# Altium PCB UPCNSL-ABS-FLS-ARD_v1.2.PcbDoC (part 1 of 2) (continued)
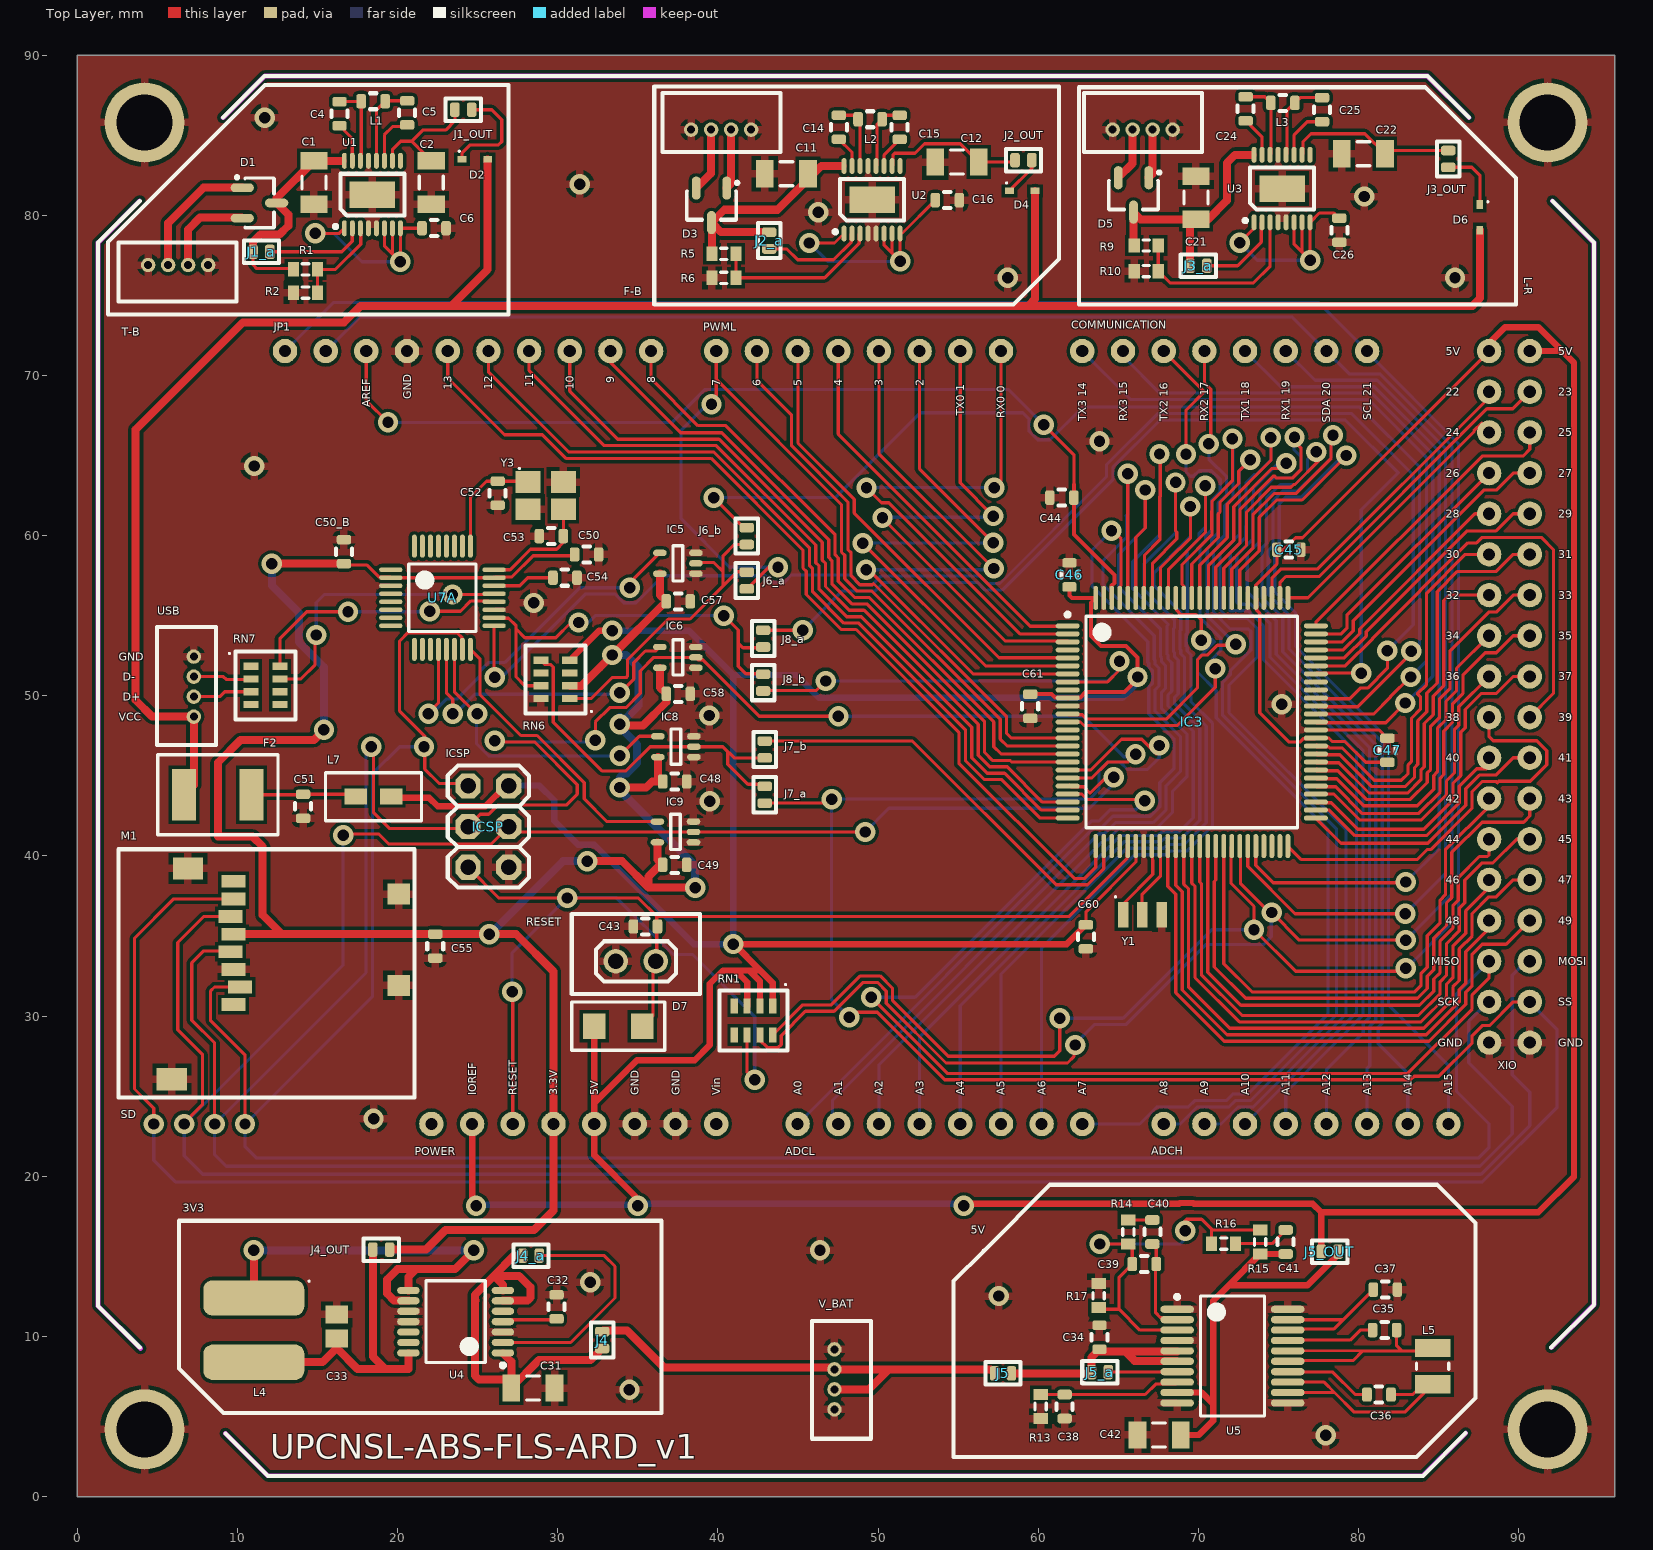
[diagram p0: Top Layer view]
## Footprints (in the part's own frame and the unit in brackets; to place one, negate y for a bottom-side part, rotate by r counter-clockwise, add the part's x,y. Pads: shape width x height; smd on the part's side, far side on the other; paste and mask are expansions set on the pad) (continued)
INDUCTOR [mm]
  rect 1.4x1 smd: 1(-1.1,0) 2(1.1,0)
  silkscreen extent -3,-1.5 3,1.5, body extent -1,-0.6 1,0.6, height 0.95
"INDUCTOR - 1008[2520]" [mm] "Chip Inductor, 2-Leads, Body 2,50x2,00mm, IPC Medium Density"
  rect 1.13x2.22 smd: 1(-1.135,0) 2(1.135,0)
  silkscreen extent -0.2,-1.01 0.2,1.01, body extent -1.35,-1.1 1.35,1.1, height 1.2
"INDUCTOR - 74405215" [mm] "5.8x5.8x1.8 inductor apantallado, 15 uH, 0,19 ohm, 950 mA"
  rrect50% 2.2x6.3 smd: 1(-2.008,0) 2(2.008,0)
  silkscreen extent -3.1,3.4 -3,3.5, body extent -3.05,-3.05 3.05,3.05, height 2
J1-0603 [mm] "Chip Resistor, Body 1.6x0.8mm, IPC High Density"
  rect 0.7x0.9 smd: 1(-0.75,0) 2(0.75,0)
  silkscreen extent -0.2,-0.35 0.2,0.35, body extent -0.85,-0.48 0.85,0.48, height 0.9
Jumper [mil] "jumper 2 pins"
  round 60 hole 37.99: 1(0,0) 2(98.43,0)
  silkscreen extent -49,-49 148,49
JUMPER_SOLDERPAD [mm]
  rrect50% 0.6x0.9 smd: 1(-0.525,0) 2(0.525,0)
  silkscreen extent -1.1,-0.7 1.1,0.7
"Micro SD holder" [mm]
  rect 0.8x1.5 smd: 1(6.505,10.3) 2(5.4,10.3) 3(4.3,10.5) 4(3.2,10.3) 5(2.1,10.5) 6(1,10.3) 7(-0.1,9.9) 8(-1.2,10.3)
  rect 1.4x1.9 smd: 9(7.3,13.15) 10(-5.85,14.15)
  rect 1.3x1.4 smd: 11(0,0) 12(5.7,0)
  silkscreen extent -7,-1 8.5,17.5, body extent -6.25,-0.36 7.85,14.84, height 1.8
MSOP-16 [mm] "16-Lead Plastic MSOP, Exposed Die Pad"
  oval 0.3x1 smd: 1(-1.75,-2.107) 2(-1.25,-2.107) 3(-0.75,-2.107) 4(-0.25,-2.107) 5(0.25,-2.107) 6(0.75,-2.107) 7(1.25,-2.107) 8(1.75,-2.107) 9(1.75,2.107) 10(1.25,2.107) 11(0.75,2.107) 12(0.25,2.107) 13(-0.25,2.107) 14(-0.75,2.107) 15(-1.25,2.107) 16(-1.75,2.107)
  rect 2.845x1.651 smd: 17(0,0)
  silkscreen extent -2.4,-2.1 2,1.3, body extent -2.02,-2.45 2.02,2.45, height 0.96
POWER [mil]
  round 60 hole 30: 1(0,0) 2(100,0) 3(200,0) 4(300,0) 5(400,0) 6(500,0) 7(600,0) 8(700,0)
  body extent -50,-50 750,50, height 276
PWM [mil]
  round 60 hole 30: 1(700,0) 2(600,0) 3(500,0) 4(400,0) 5(300,0) 6(200,0) 7(100,0) 8(0,0)
  body extent -50,-50 750,50, height 276
"RESONATOR 3 PINS" [mm] "MURATA  CSTCE16M0V53-R0"
  rect 0.65x1.6 smd: 1(-1.2,0) 2(-0.016,0) 3(1.2,0)
  silkscreen extent -1.72,1.08 -1.63,1.17, body extent -1.68,-0.72 1.68,0.72, height 0.8
"SMD DIODE" [mm]
  rect 1.4x1.6 smd: A(-1.5,0) K(1.5,0)
  silkscreen extent -2.9,-1.5 2.9,1.5, body extent -1.67,-0.86 1.68,0.87, height 0.85
SOT23-3 [mm] "SOT-23-3; 3 Leads; Body 3 x 3 mm, inc. leads (LxW max)"
  oval 0.55x1.45 smd: 1(-0.95,-1.075) 2(0.95,-1.075) 3(0,1.075)
  silkscreen extent -1.7,-1.5 1.55,0.9, body extent -1.5,-1.25 1.5,1.25, height 1.09
SOT65P210X110-5N [mm] "SOT23, 5-Leads, Body 2,00x2,10mm, Pitch 0,65mm, IPC Medium Density"
  oval 0.85x0.4 smd: 1(-1.125,0.65) 2(-1.125,0) 3(-1.125,-0.65) 4(1.125,-0.65) 5(1.125,0.65)
  silkscreen extent -0.3,-1.1 0.3,1.1, body extent -0.7,-1.07 0.7,1.08, height 1.1
SSOP-SS20 [mm] "SOP, 20-Leads, Body 7.2x5.2mm, Pitch 0.65mm, IPC Medium Density"
  oval 2.1x0.45 smd: 1(-3.45,2.925) 2(-3.45,2.275) 3(-3.45,1.625) 4(-3.45,0.975) 5(-3.45,0.325) 6(-3.45,-0.325) 7(-3.45,-0.975) 8(-3.45,-1.625) 9(-3.45,-2.275) 10(-3.45,-2.925) 11(3.45,-2.925) 12(3.45,-2.275) 13(3.45,-1.625) 14(3.45,-0.975) 15(3.45,-0.325) 16(3.45,0.325) 17(3.45,0.975) 18(3.45,1.625) 19(3.45,2.275) 20(3.45,2.925)
  silkscreen extent -3.57,-3.75 2,3.82, body extent -3.95,-3.25 3.95,3.25, height 1.98
"TSOP65P650X110-14N (LM2852YMXA)" [mm] "TSOP, 14-Leads, Body 5,00x4,40mm, Pitch 0,65mm, IPC Medium Density"
  oval 1.4x0.45 smd: 1(-2.95,1.95) 2(-2.95,1.3) 3(-2.95,0.65) 4(-2.95,0) 5(-2.95,-0.65) 6(-2.95,-1.3) 7(-2.95,-1.95) 8(2.95,-1.95) 9(2.95,-1.3) 10(2.95,-0.65) 11(2.95,0) 12(2.95,0.65) 13(2.95,1.3) 14(2.95,1.95)
  silkscreen extent -3.08,-2.55 1.85,2.85, body extent -2.25,-2.55 2.25,2.55, height 1.1
TSQFP50P700X700X120-32N [mm] "TSQFP, 32-Leads, Body 5,00x5,00mm, Pitch 0,50mm, IPC Medium Density"
  oval 1.45x0.3 smd: 1(-3.225,1.75) 2(-3.225,1.25) 3(-3.225,0.75) 4(-3.225,0.25) 5(-3.225,-0.25) 6(-3.225,-0.75) 7(-3.225,-1.25) 8(-3.225,-1.75) 17(3.225,-1.75) 18(3.225,-1.25) 19(3.225,-0.75) 20(3.225,-0.25) 21(3.225,0.25) 22(3.225,0.75) 23(3.225,1.25) 24(3.225,1.75)
  oval 0.3x1.45 smd: 9(-1.75,-3.225) 10(-1.25,-3.225) 11(-0.75,-3.225) 12(-0.25,-3.225) 13(0.25,-3.225) 14(0.75,-3.225) 15(1.25,-3.225) 16(1.75,-3.225) 25(1.75,3.225) 26(1.25,3.225) 27(0.75,3.225) 28(0.25,3.225) 29(-0.25,3.225) 30(-0.75,3.225) 31(-1.25,3.225) 32(-1.75,3.225)
  silkscreen extent -2.1,-2.1 2.1,2.1, body extent -2.5,-2.5 2.5,2.5, height 1.2
TSQFP50P1600X1600X120-100N [mm] "TSQFP, 100-Leads, Body 14,00x14,00mm, Pitch 0,50mm, IPC Medium Density"
  oval 1.5x0.3 smd: 1(-7.75,6) 2(-7.75,5.5) 3(-7.75,5) 4(-7.75,4.5) 5(-7.75,4) 6(-7.75,3.5) 7(-7.75,3) 8(-7.75,2.5) 9(-7.75,2) 10(-7.75,1.5) 11(-7.75,1) 12(-7.75,0.5) 13(-7.75,0) 14(-7.75,-0.5) 15(-7.75,-1) 16(-7.75,-1.5) 17(-7.75,-2) 18(-7.75,-2.5) 19(-7.75,-3) 20(-7.75,-3.5) 21(-7.75,-4) 22(-7.75,-4.5) 23(-7.75,-5) 24(-7.75,-5.5) 25(-7.75,-6) 51(7.75,-6) 52(7.75,-5.5) 53(7.75,-5) 54(7.75,-4.5) 55(7.75,-4) 56(7.75,-3.5) 57(7.75,-3) 58(7.75,-2.5) 59(7.75,-2) 60(7.75,-1.5) 61(7.75,-1) 62(7.75,-0.5) 63(7.75,0) 64(7.75,0.5) 65(7.75,1) 66(7.75,1.5) 67(7.75,2) 68(7.75,2.5) 69(7.75,3) 70(7.75,3.5) 71(7.75,4) 72(7.75,4.5) 73(7.75,5) 74(7.75,5.5) 75(7.75,6)
  oval 0.3x1.5 smd: 26(-6,-7.75) 27(-5.5,-7.75) 28(-5,-7.75) 29(-4.5,-7.75) 30(-4,-7.75) 31(-3.5,-7.75) 32(-3,-7.75) 33(-2.5,-7.75) 34(-2,-7.75) 35(-1.5,-7.75) 36(-1,-7.75) 37(-0.5,-7.75) 38(0,-7.75) 39(0.5,-7.75) 40(1,-7.75) 41(1.5,-7.75) 42(2,-7.75) 43(2.5,-7.75) 44(3,-7.75) 45(3.5,-7.75) 46(4,-7.75) 47(4.5,-7.75) 48(5,-7.75) 49(5.5,-7.75) 50(6,-7.75) 76(6,7.75) 77(5.5,7.75) 78(5,7.75) 79(4.5,7.75) 80(4,7.75) 81(3.5,7.75) 82(3,7.75) 83(2.5,7.75) 84(2,7.75) 85(1.5,7.75) 86(1,7.75) 87(0.5,7.75) 88(0,7.75) 89(-0.5,7.75) 90(-1,7.75) 91(-1.5,7.75) 92(-2,7.75) 93(-2.5,7.75) 94(-3,7.75) 95(-3.5,7.75) 96(-4,7.75) 97(-4.5,7.75) 98(-5,7.75) 99(-5.5,7.75) 100(-6,7.75)
  silkscreen extent -7.87,-6.6 6.6,6.82, body extent -7,-7 7,7, height 1.2

## Part data
ADCH ADCL COMMUNICATION POWER PWML: library part PINHD-1X8, "<b>PIN HEADER</b>"
C1 C2 C4 C5 C6 C11 C12 C14 C15 C16 C21 C22 C24 C25 C26 C31 C32 C33 C34 C35 C36 C37 C38 C39 C40 C41 C42: "Capacitor (Semiconductor SIM Model)"
C43 C44 C45 C46 C47 C48 C49 C50 C50_B C51 C52 C53 C54 C57 C58 C60 C61: library part C-EU0603-RND, "<B>CAPACITOR</B>, European symbol"
C55: "Capacitor"
D1 D3 D5: "DIODE, RF, SCHOTTKY, DUAL, SOT-23"
D7: library part DIODE
F2: library part L-EUL1812, "<B>INDUCTOR</B>, European symbol"
F-B: "Front and Back connections"
IC3: library part ATMEGA2560AU, "<b>MICROCONTROLLER</b><p> / 64/128/256 Kbytes FLASH<p> / 4 Kbytes EEPROM<p> / 8 Kbytes SRAM<p> / 86 General Purpose I/O pins<p> / 12-channels16-bit PWM<p> / 4 x Serial USARTs<p> / 16-channels 10-bit A/D<p>"
ICSP: library part PINHD-2X3, "<b>PIN HEADER</b>"
JP1: library part PINHD-1X10, "<b>PIN HEADER</b>"
L7: library part WE-CBF_0805, "SMD EMI Suppression Ferrite Beads / - excellent anti-EMI properties  / - low DCR / - impedances till 3000 ohms / - rated current up to 6 A"
L-R: "Left and Right connections"
R1 R2 R5 R6 R9 R10 R13 R14 R15 R16 R17: "Resistor"
RN1 RN6 RN7: library part RES_ARRAY
T-B: "Top and Bottom connections"
U1 U2 U3: library part LTC3129, "15V, 200mA Synchronous Buck-Boost DC/DC Converter with 1.3µA Quiescent Current"
U5: library part LTC3112EDHD#PBF, "IC REG BUCK BOOST ADJ 2.5A 16DFN"
U7A: "MAX3421 SPI to USB Interface Chip"
XIO: library part PINHD-2X18, "<b>PIN HEADER</b>"
Y1: library part "RESONATOR 16MHz"

## Free pads (board coordinates)
  round 5 hole 3.5: 12(4.2,4.2) 13(91.8,4.2) 14(4.2,85.8) 15(91.8,85.8)

## Via types
v1: diameter 1.27, hole 0.711, Top Layer to Bottom Layer, 125 vias

## Nets (pads, with @x,y where several pads share a name; then routed paths per layer and width w, separated by ;. In a path a pad name is that pad's centre, name@x,y a point inside that pad or via, vN(x,y) a via of type N, cw(c..) or ccw(c..) an arc to the next point about the centre after c; other vN are vias at no path point)
3V3: C48.1 C49.1 C50.1 C50_B.1 C55.2 C57.1 C58.1 IC5.5 IC6.5 IC8.5 IC9.5 J4_OUT.2 M1.4 POWER.4 RN6.3 U7A.2 U7A.23 | length 158.7
  Top Layer w0.2: C50_B.1@17.025,58.175 18.064,58.175 18.814,57.425 19.525,57.425 U7A.2@19.575,57.375 U7A.23@26.025,57.375 26.075,57.425 27.141,57.425 28.466,58.75 C50.1@31,58.75
  Top Layer w0.5: M1.4@9.762,35.119 12.775,35.119 ; v1(12.15,58.25) C50_B.1@16.65,58.25 ; v1(15.4,47.875) 14.775,47.25 10.2,47.25 8.775,45.825 8.775,41.225 10.95,41.225 11.575,40.6 11.575,36.319 12.775,35.119 ; J4_OUT.2@19.5,15.425 21.775,15.425 23,16.65 28.525,16.65 29.733,17.858 POWER.4@29.733,23.268 29.733,32.792 27.406,35.119 v1(25.725,35.119) 12.775,35.119 ; RN6.3@30.75,50.625 31.475,50.625 32.6,51.75 v1(33.4,52.55) 33.425,52.55 C57.1@36.775,55.9 36.375,56.3 IC5.5@36.375,57.625 ; v1(31.85,39.675) 34.025,39.675 35.675,38.025 ; v1@33.7,44.275 v1(33.875,44.275) 35.525,44.275 35.9,44.65 C48.1@36.55,44.65 36.25,44.95 IC8.5@36.25,46.175 ; v1@33.775,48.15 35.325,48.15 36.775,49.6 C58.1@36.775,50.125 36.375,50.525 IC6.5@36.375,51.75 ; IC9.5@36.225,40.85 36.225,39.775 C49.1@36.475,39.525 ; C49.1@36.55,39.45 C49.1@36.475,39.525 ; v1(38.575,38.025) 35.675,38.025 ; 35.675,38.025 35.675,38.725 C49.1@36.475,39.525
  Bottom Layer w0.5: v1(12.15,58.25) 12.15,56.875 13.84,55.185 13.84,53.351 15.4,51.791 v1(15.4,47.875) ; v1(25.725,35.119) 25.725,35.075 30.325,39.675 v1(31.85,39.675) ; v1@33.4,52.37 v1(33.4,52.55) 34.275,52.55 35.05,51.775 35.05,49.402 v1(33.875,48.227) v1@33.875,48.668 ; v1@33.7,44.275 38.575,39.4 v1(38.575,38.025) ; v1@33.775,48.15 34.96,46.965 34.96,45.801 34.324,45.166 34.125,45.166 33.875,44.916 v1(33.875,44.275)
5V: C45.1 C46.1 C47.1 C60.1 C61.1 D7.K IC3.10 IC3.31 IC3.61 IC3.80 IC3.100 ICSP.2 J5_OUT.2 L7.1 POWER.2 POWER.5 RN1.1 RN1.3 RN1.5 RN6.7 XIO.1 XIO.2 | length 341.4
  Top Layer w0.2: C60.1@62.975,35.7 62.975,36.5 66.1,39.625 66.1,40.606 IC3.31@66.088,40.618 ; C47.1@81.8,45.85 80.45,45.85 79.15,47.15 78.358,47.15 78.14,47.368 IC3.61@77.338,47.368 77.288,47.318 76.551,47.318 76.358,47.125 75.642,47.125 73.825,48.942 73.825,55.145 73.638,55.332 73.638,56.068 IC3.80@73.588,56.118 73.588,56.912 74.9,58.224 74.9,58.711 76.064,59.875 76.5,59.875 XIO.1@88.153,71.528
  Top Layer w0.25: C61.1@59.5,50.1 60.834,50.1 61.041,49.893 IC3.10@61.813,49.893 ; IC3.10@61.838,49.868 IC3.10@61.813,49.893 ; IC3.10@61.863,49.843 IC3.10@61.813,49.893 ; C46.1@61.95,56.8 61.95,56.275 62.107,56.118 IC3.100@63.588,56.118 63.281,55.812 63.281,53.744 63.915,53.11 65.473,53.11 66.203,52.379 v1(66.203,51.177) ; v1@66.267,51.113 65.379,50.225 62.966,50.225 62.635,49.893 IC3.10@61.813,49.893
  Top Layer w0.4: L7.1@19.6,43.7 19.675,43.625 21.975,43.625 22.5,43.1 25.475,43.1 26.75,44.375 ICSP.2@26.94,44.375 ; POWER.2@24.653,23.268 24.653,18.403 v1(24.9,18.156) ; RN6.7@30.775,52.25 32.6,54.075 v1@33.275,54.075 ; POWER.5@32.273,23.268 32.273,24.573 ; POWER.5@32.273,23.268 32.273,21.327 v1@35,18.6 ; D7.K@32.275,29.375 32.273,29.373 32.273,24.573 ; v1(40.95,34.5) v1@41,34.5 ; RN1.5@41.825,30.625 41.825,32.125 41.1,32.85 ; RN1.3@42.625,30.625 42.625,32.175 41.95,32.85 ; RN1.1@43.425,30.625 43.425,32.075 42.65,32.85 ; v1@55.35,18.275 68.761,18.275 68.821,18.335 69.679,18.335 69.739,18.275 77.15,18.275 77.675,17.75 ; C60.1@62.975,35.7 61.775,34.5 v1@41,34.5 ; J5_OUT.2@77.675,15.3 77.675,17.75 ; XIO.1@88.153,71.528 88.153,72.028 89.15,73.025 91.225,73.025 92.722,71.528 ; XIO.2@90.693,71.528 92.722,71.528 ; 32.273,24.573 34.95,27.25 38.55,27.25 39.5,28.2 39.5,32.025 40.325,32.85 41.1,32.85 ; v1@41,34.5 42.65,32.85 ; 41.1,32.85 41.95,32.85 ; 41.95,32.85 42.65,32.85 ; 77.675,17.75 91.225,17.75 93.45,19.975 93.45,70.8 92.722,71.528
  Bottom Layer w0.4: v1@24.575,18.225 v1@34.625,18.225 ; ICSP.2@26.94,44.375 26.965,44.4 28.85,44.4 29.775,43.475 29.775,42.2 31.265,40.71 32.279,40.71 38.489,34.5 v1(40.95,34.5) 40.95,51.3 ; v1@33.275,54.075 38.175,54.075 40.95,51.3 ; v1@35.325,18.275 v1@55.35,18.275 ; v1(66.203,51.177) 66.203,50.833 65.26,49.89 46.296,49.89 44.886,51.3 40.95,51.3
  other v1: 35,18.156 55.35,18.156 33.4,54.075
ADC0: ADCL.1 IC3.97 | length 55.7
  Top Layer w0.2: v1(64.575,60.3) 64.675,60.3 65.175,59.8 65.175,56.9 ; IC3.97@65.088,56.118 65.088,56.789 IC3.97@65.138,56.839
  Bottom Layer w0.2: ADCL.1@44.973,23.268 63.495,41.79 63.968,41.79 64.661,42.483 67.005,42.483 67.585,43.063 67.585,44.575 68.485,45.475 68.485,47.287 66.9,48.872 66.9,50.552 67.138,50.79 67.138,51.565 66.9,51.803 66.9,52.04 66.843,52.096 66.843,53.38 63.35,56.873 63.35,59.075 v1(64.575,60.3)
ADC1: ADCL.2 IC3.96 | length 62.2
  Top Layer w0.2: IC3.96@65.588,56.118 65.588,63.863 v1(65.6,63.875)
  Bottom Layer w0.2: ADCL.2@47.156,22.911 47.156,24.756 63.79,41.39 64.134,41.39 64.827,42.083 67.171,42.083 67.985,42.897 67.985,44.381 68.885,45.281 68.885,47.453 67.3,49.038 67.3,50.386 67.538,50.625 67.538,51.73 67.3,51.969 67.3,52.205 67.243,52.262 67.243,53.757 64.05,56.95 64.05,58.453 65.51,59.913 65.51,61.235 65.5,61.245 65.6,61.345 v1(65.6,63.875)
ADC2: ADCL.3 IC3.95 | length 58.7
  Top Layer w0.2: IC3.95@66.088,56.118 66.088,59.888 66.678,60.478 v1(66.678,62.853)
  Bottom Layer w0.2: ADCL.3@50.053,23.268 50.053,26.949 64.094,40.99 64.299,40.99 64.993,41.683 67.337,41.683 68.385,42.731 68.385,44.04 69.285,44.94 69.285,47.619 67.7,49.204 67.7,50.221 67.938,50.459 67.938,51.896 67.7,52.134 67.7,52.371 67.643,52.428 67.643,54.157 65.025,56.775 65.025,58.825 66.678,60.478 v1(66.678,62.853)
ADC3: ADCL.4 IC3.94 | length 62.9
  Top Layer w0.2: IC3.94@66.588,56.118 66.638,56.168 66.638,58.788 67.6,59.75 67.6,59.909 67.593,59.916 67.593,62.446 67.613,62.466 67.613,65.062 v1(67.575,65.1)
  Bottom Layer w0.2: ADCL.4@52.593,23.268 52.593,28.718 65.158,41.283 67.503,41.283 67.737,41.518 68.803,41.518 69.685,42.4 69.685,47.784 68.1,49.369 68.1,50.055 68.338,50.293 68.338,52.062 68.1,52.3 68.1,52.537 68.043,52.593 68.043,54.362 68.1,54.419 68.1,54.475 65.9,56.675 65.9,58.378 67.585,60.063 67.585,62.438 67.613,62.466 67.613,65.062 v1(67.575,65.1)
ADC4: ADCL.5 IC3.93 | length 58.6
  Top Layer w0.2: IC3.93@67.088,56.118 67.138,56.168 67.138,58.288 68.65,59.8 68.65,60.225 68.572,60.303 68.575,60.306 68.575,61.428 68.565,61.438 68.565,63.315 v1(68.575,63.325)
  Bottom Layer w0.2: ADCL.5@55.133,23.268 55.133,30.649 65.368,40.883 67.668,40.883 67.903,41.118 68.969,41.118 70.085,42.234 70.085,47.95 68.5,49.535 68.5,49.889 68.738,50.127 68.738,52.228 68.5,52.466 68.5,52.702 68.443,52.759 68.443,54.196 68.5,54.253 68.5,54.75 66.6,56.65 66.6,58.225 68.575,60.2 68.575,61.428 68.565,61.438 68.565,63.315 v1(68.575,63.325)
ADC5: ADCL.6 IC3.92 | length 54.9
  Top Layer w0.2: IC3.92@67.588,56.118 67.638,56.168 67.638,58.013 68.8,59.175 68.834,59.175 69.5,59.841 v1(69.5,61.825)
  Bottom Layer w0.2: ADCL.6@57.673,23.268 57.673,32.623 65.533,40.483 67.834,40.483 68.068,40.718 69.134,40.718 70.485,42.068 70.485,48.116 68.9,49.701 68.9,49.724 69.138,49.962 69.138,52.393 68.9,52.631 68.9,52.868 68.843,52.925 68.843,54.031 68.9,54.087 68.9,55.225 67.225,56.9 67.225,57.65 69.5,59.925 v1(69.5,61.825)
ADC6: ADCL.7 IC3.91 | length 55.2
  Top Layer w0.2: IC3.91@68.088,56.118 68.138,56.118 68.138,57.913 70.443,60.217 ; v1(70.425,63.125) 70.435,63.115 70.435,60.225
  Bottom Layer w0.2: ADCL.7@60.213,23.268 60.213,34.263 66.033,40.083 68,40.083 68.234,40.318 69.3,40.318 70.885,41.903 70.885,48.281 69.538,49.628 69.538,52.559 69.3,52.797 69.3,53.034 69.243,53.09 69.243,53.865 69.3,53.921 69.3,59.075 70.035,59.81 70.035,60.129 70.435,60.529 70.435,63.115 v1(70.425,63.125)
ADC7: ADCL.8 IC3.90 | length 50.2
  Top Layer w0.2: IC3.90@68.588,56.118 68.638,56.118 68.638,55.332 68.901,55.068 69.858,55.068 70.178,54.748 v1(70.178,53.478)
  Bottom Layer w0.2: ADCL.8@62.753,23.268 66.331,23.268 67.393,24.33 69.367,24.33 69.767,24.73 71.742,24.73 72.142,25.13 73.08,25.13 78.1,30.15 78.1,41.632 71.11,48.622 71.11,50.324 69.943,51.49 69.943,52.326 70.994,53.376 70.62,53.75 70.348,53.478 v1(70.178,53.478)
ADC8: ADCH.1 IC3.89 | length 66.8
  Top Layer w0.2: IC3.89@69.088,56.118 69.088,56.855 68.975,56.968 68.975,58.184 70.842,60.052 70.842,60.383 70.835,60.391 70.835,61.526 70.85,61.541 70.85,62.15 72.125,63.425 v1(72.125,66.05)
  Bottom Layer w0.2: ADCH.1@67.833,23.268 68.871,23.268 69.933,24.33 71.907,24.33 72.307,24.73 73.255,24.73 78.628,30.103 78.628,41.67 71.51,48.788 71.51,50.837 71.988,51.315 71.988,51.565 73.264,52.84 73.264,54.036 73.125,54.175 72,54.175 70.95,55.225 70.95,59.028 71.235,59.313 71.235,59.632 71.635,60.032 71.635,61.881 72.16,62.406 72.16,66.015 v1(72.125,66.05) v1@72.05,66.125
ADC9: ADCH.2 IC3.88 | length 62.6
  Top Layer w0.2: IC3.88@69.588,56.118 69.588,58.231 71.242,59.886 71.242,60.549 71.235,60.556 71.235,61.36 71.35,61.475 71.35,62.084 72.525,63.259 72.525,64.031 v1(73.235,64.74)
  Bottom Layer w0.2: ADCH.2@70.373,23.268 71.411,23.268 72.473,24.33 73.421,24.33 79.028,29.937 79.028,29.948 79.225,30.146 79.225,41.638 71.91,48.953 71.91,50.671 73.664,52.425 73.664,54.202 73.035,54.831 71.91,54.831 71.35,55.391 71.35,58.862 72.56,60.072 72.56,64.066 v1(73.235,64.74)
ADC10: ADCH.3 IC3.87 | length 62.7
  Top Layer w0.2: IC3.87@70.138,56.168 IC3.87@70.088,56.118 70.086,56.12 70.086,58.164 71.803,59.881 71.803,61.972 74.525,64.694 v1(74.525,66.125)
  Bottom Layer w0.2: ADCH.3@72.913,23.268 72.924,23.268 79.428,29.771 79.428,29.783 79.875,30.23 79.875,46.447 74.064,52.259 74.064,54.368 73.116,55.316 71.991,55.316 71.991,58.937 72.96,59.907 72.96,60.61 72.975,60.625 72.975,63.3 73.48,63.805 73.622,63.805 74.525,64.708 v1(74.525,66.125)
ADC11: ADCH.4 IC3.86 | length 59.5
  Top Layer w0.2: IC3.86@70.588,56.118 70.638,56.168 70.638,58.15 72.203,59.715 72.203,61.806 74.597,64.2 75.4,64.2 75.4,64.449 v1(75.479,64.528)
  Bottom Layer w0.2: ADCH.4@75.453,23.268 75.453,25.231 79.828,29.606 79.828,29.617 80.275,30.064 80.275,46.613 74.464,52.425 74.464,54.534 73.281,55.716 72.525,55.716 72.391,55.85 72.391,58.772 73.375,59.756 73.375,62.3 73.45,62.375 73.45,63 75.075,64.625 75.172,64.528 v1(75.479,64.528)
ADC12: ADCH.5 IC3.85 | length 63
  Top Layer w0.2: IC3.85@71.088,56.118 71.088,58.034 72.603,59.55 72.603,61.64 74.669,63.706 74.763,63.706 74.876,63.593 75.866,63.593 76.414,64.141 76.414,65.463 75.825,66.052 75.825,66.15 76,66.15 v1(76.004,66.153)
  Bottom Layer w0.2: v1(76.004,66.153) 75.978,66.153 75.978,65.351 76.414,64.915 76.414,64.141 75.866,63.593 74.668,63.593 73.85,62.775 73.85,59.665 73.055,58.87 73.055,56.508 74.864,54.699 74.864,52.59 80.675,46.779 80.675,29.899 80.294,29.518 80.294,28.958 77.993,26.657 ADCH.5@77.993,23.268
ADC13: ADCH.6 IC3.84 | length 59.9
  Top Layer w0.2: IC3.84@71.588,56.118 71.588,57.969 73.003,59.384 73.003,61.475 74.553,63.025 75.775,63.025 75.943,63.193 76.032,63.193 77.525,64.686 77.525,65.399 v1(77.354,65.228)
  Bottom Layer w0.2: v1(77.354,65.228) 77.253,65.228 76.814,64.789 76.814,63.975 76.032,63.193 75.118,63.193 74.25,62.325 74.25,59.5 73.964,59.214 73.964,56.164 75.264,54.865 75.264,52.756 81.075,46.945 81.075,29.733 80.7,29.358 80.7,26.909 80.533,26.742 ADCH.6@80.533,23.268
ADC14: ADCH.7 IC3.83 | length 63.1
  Top Layer w0.2: IC3.83@72.088,56.118 72.088,57.903 73.403,59.218 73.403,61.309 74.719,62.625 76.073,62.625 78.289,64.841 78.289,66.164 v1@78.403,66.278
  Bottom Layer w0.2: v1(78.404,66.278) 78.35,66.332 78.35,66.525 78.289,66.464 78.289,64.841 76.746,63.298 76.702,63.298 76.197,62.793 75.284,62.793 74.65,62.159 74.65,59.334 74.364,59.048 74.364,56.33 75.664,55.031 75.664,52.922 81.475,47.11 81.475,29.567 81.225,29.317 81.225,28.28 83.073,26.432 ADCH.7@83.073,23.268
ADC15: ADCH.8 IC3.82 | length 61.4
  Top Layer w0.2: IC3.82@72.588,56.118 72.588,57.837 73.803,59.053 73.803,61.143 74.885,62.225 76.475,62.225 79.25,65 79.247,65.003 v1(79.229,65.003)
  Bottom Layer w0.2: v1(79.229,65.003) 79.017,65.003 76.407,62.393 75.45,62.393 75.05,61.994 75.05,59.168 74.764,58.882 74.764,56.496 76.064,55.196 76.064,53.087 81.875,47.276 81.875,30.675 85.613,26.937 ADCH.8@85.613,23.268
AREF: C44.1 IC3.98 JP1.3 | length 60.4
  Top Layer w0.2: JP1.3@18.049,71.528 18.049,68.426 v1(19.4,67.075) ; v1(60.35,66.925) 62.225,65.05 62.225,63.2
  Top Layer w0.25: 62.225,63.2 62.225,60.075 64.75,57.55 64.75,57.052 64.588,56.89 IC3.98@64.588,56.118
  Bottom Layer w0.2: v1(19.4,67.075) 37.153,67.075 39.213,69.135 58.14,69.135 v1(60.35,66.925)
BK: D3.2 F-B.2 | length 4
  Top Layer w0.5: D3.2@38.65,81.7 39.575,82.625 F-B.2@39.575,85.35
BOT: D1.2 T-B.2 | length 5.9
  Top Layer w0.5: T-B.2@6.925,76.9 6.925,79.125 7.663,79.863 10.262,79.863 D1.2@10.3,79.825
D+: RN7.5 USB.2 | length 3.7
  Top Layer w0.2: USB.2@7.275,49.95 8.9,49.95 9.2,50.25 RN7.5@10.85,50.25
D-: RN7.3 USB.3 | length 3.7
  Top Layer w0.2: USB.3@7.275,51.2 9.125,51.2 9.3,51.025 10.825,51.025 RN7.3@10.85,51.05
FR: D3.1 F-B.3 | length 3.8
  Top Layer w0.5: D3.1@40.55,81.7 40.825,81.975 F-B.3@40.825,85.35
GND: C1.1 C2.1 C6.1 C11.1 C12.1 C16.1 C21.1 C22.1 C26.1 C31.2 C32.1 C33.2 C34.1 C37.1 C38.1 C42.2 C43.2 C44.2 C45.2 C46.2 C47.2 C48.2 C49.2 C50.2 C50_B.2 C51.2 C52.1 C53.1 C54.2 C55.1 C57.2 C58.2 C60.2 C61.2 F-B.1 F-B.4 IC3.11 IC3.32 IC3.62 IC3.81 IC3.99 IC5.1 IC5.3 IC6.1 IC6.3 IC8.1 IC8.3 IC9.1 IC9.3 ICSP.6 JP1.4 L-R.1 L-R.4 M1.6 M1.9 M1.10 M1.11 M1.12 pad.12 pad.13 pad.14 pad.15 POWER.6 POWER.7 R2.1 R6.1 R10.1 R13.1 R17.1 RESET.2 RN6.2 T-B.1 T-B.4 U1.4 U1.5 U1.13 U1.17 U2.4 U2.5 U2.13 U2.17 U3.4 U3.5 U3.13 U3.17 U4.3 U4.10 U4.11 U5.1 U5.4 U5.10 U5.11 U5.20 U7A.3 U7A.19 USB.4 V_BAT.1 V_BAT.4 XIO.35 XIO.36 Y1.3 Y3.2 Y3.4 | length 4.7
  Top Layer w0.2: IC3.62@77.338,47.868 81.281,47.868 C47.2@81.8,47.35
  other v1: 77.95,3.825 34.475,6.675 57.525,12.525 32.025,13.375 46.375,15.375 18.5,23.6 39.5,43.425 39.45,48.775 75.2,49.475 28.5,55.8 11.05,64.35 63.825,65.9 58.1,76.1 86.025,76.1 46.275,80.2 80.35,81.175 31.375,81.95 11.7,86.1
GPX_MAX: IC3.66 U7A.17 | length 89.1
  Top Layer w0.2: U7A.17@26.025,54.375 26.025,51.2 v1(26.075,51.15) ; IC3.66@77.338,49.868 77.388,49.818 79.443,49.818 80.108,50.483 80.562,50.483 81.8,51.721 v1(81.8,52.825)
  Bottom Layer w0.2: v1(26.075,51.15) 26.508,51.15 31.708,56.35 33.578,56.35 34.113,55.815 34.887,55.815 36.572,57.5 42.953,57.5 43.363,57.09 44.137,57.09 44.597,57.55 48.253,57.55 48.863,56.94 49.637,56.94 50.172,57.475 56.378,57.475 56.838,57.015 57.612,57.015 64.265,63.668 64.265,64.428 67.462,67.625 79.575,67.625 83.41,63.79 83.41,54.435 v1(81.8,52.825)
INT_MAX: J8_a.1 J8_b.1 RN6.4 U7A.18 | length 27.3
  Top Layer w0.2: U7A.18@26.025,54.875 U7A.18@26.05,54.9 ; U7A.18@26.325,54.85 26.925,54.85 27.4,54.375 27.4,54.175 ; RN6.4@28.95,50.625 27.95,50.625 27.4,51.175 27.4,54.175 ; v1(31.3,54.578) 30.828,54.578 29.875,53.625 27.95,53.625 27.4,54.175 ; v1(40.375,55.01) 41.275,54.11 41.275,53.291 ; J8_b.1@42.8,51.375 41.75,51.375 41.275,51.85 41.275,53.291 ; J8_a.1@42.825,53.05 42.783,53.008 41.558,53.008 41.275,53.291
  Bottom Layer w0.2: v1(31.3,54.578) 31.603,54.275 32.338,55.01 v1(40.375,55.01)
L: D5.1 L-R.3 | length 3.1
  Top Layer w0.5: D5.1@66.9,82.35 67.145,82.595 L-R.3@67.145,85.35
MOSI_3V3: IC9.4 U7A.16 | length 18
  Top Layer w0.2: U7A.16@24.55,52.9 25.14,52.31 25.14,50.085 27.7,47.525 28.713,47.525 31.654,44.584 31.654,43.571 33.075,42.15 IC9.4@36.225,42.15
NetC2_2: C2.2 J1_OUT.1 U1.10 | length 7.8
  Top Layer w0.2: U1.10@19.675,83.407 19.675,84.1 20.2,84.625 20.875,84.625 ; C2.2@22.1,83.4 20.875,84.625 ; J1_OUT.1@23.575,86.6 23.575,85.9 23,85.325 21.575,85.325 20.875,84.625
NetC4_1: C4.1 U1.15 | length 2.5
  Top Layer w0.2: C4.1@16.375,85.6 17.175,84.8 U1.15@17.175,83.407
NetC4_2: C4.2 L1.1 U1.14 | length 5.1
  Top Layer w0.2: C4.2@16.375,87.1 17.7,87.1 L1.1@17.725,87.125 17.725,83.457 U1.14@17.675,83.407
NetC5_1: C5.1 U1.11 | length 3.3
  Top Layer w0.2: U1.11@19.175,83.407 19.175,85.025 19.7,85.55 20.5,85.55 C5.1@20.6,85.65
NetC5_2: C5.2 L1.2 U1.12 | length 5.3
  Top Layer w0.2: U1.12@18.675,83.407 18.675,86.575 L1.2@19.225,87.125 19.25,87.15 C5.2@20.6,87.15
NetC12_2: C12.2 J2_OUT.1 U2.10 | length 9.1
  Top Layer w0.2: U2.10@50.875,83.082 50.925,83.132 50.925,83.759 51.048,83.882 52.308,83.882 52.901,84.475 55.125,84.475 C12.2@56.275,83.325 58.425,83.325 J2_OUT.1@58.55,83.45
NetC14_1: C14.1 U2.15 | length 2
  Top Layer w0.2: C14.1@47.55,84.75 48.375,83.925 U2.15@48.375,83.082
NetC14_2: C14.2 L2.1 U2.14 | length 4.3
  Top Layer w0.2: C14.2@47.55,86.25 48.5,86.25 L2.1@48.75,86 48.875,85.875 U2.14@48.875,83.082
NetC15_1: C15.1 U2.11 | length 2.1
  Top Layer w0.2: U2.11@50.375,83.082 50.375,83.775 C15.1@51.35,84.75
NetC15_2: C15.2 L2.2 U2.12 | length 4.3
  Top Layer w0.2: U2.12@49.875,83.082 49.925,83.132 49.925,85.675 L2.2@50.25,86 50.5,86.25 C15.2@51.35,86.25
NetC22_2: C22.2 J3_OUT.1 U3.10 | length 10.7
  Top Layer w0.2: U3.10@76.475,83.782 76.525,83.832 76.525,84.582 77.025,85.082 77.025,85.1 80.4,85.1 C22.2@81.65,83.85 81.85,84.05 J3_OUT.1@85.6,84.05
NetC24_1: C24.1 U3.15 | length 2.5
  Top Layer w0.2: C24.1@72.95,85.9 73.975,84.875 U3.15@73.975,83.782
NetC24_2: C24.2 L3.1 U3.14 | length 5
  Top Layer w0.2: C24.2@72.95,87.4 74.15,87.4 L3.1@74.525,87.025 74.525,83.832 U3.14@74.475,83.782
NetC25_1: C25.1 U3.11 | length 3.3
  Top Layer w0.2: U3.11@75.975,83.782 75.975,85.025 76.8,85.85 C25.1@77.725,85.85
NetC25_2: C25.2 L3.2 U3.12 | length 5.3
  Top Layer w0.2: U3.12@75.475,83.782 75.525,83.832 75.525,86.525 L3.2@76.025,87.025 76.35,87.35 C25.2@77.725,87.35
NetC32_2: C32.2 U4.4 | length 3.7
  Top Layer w0.2: U4.4@26.575,10.925 26.7,11.05 30.1,11.05 C32.2@30.1,11.15